# Altium PCB RUMBA_plus.PcbDoc (part 2 of 2)
Units mm, origin at the board's own origin, x right, y up, seen from the top; angles counter-clockwise.
Board outline 140 x 75 mm, 2 copper layers (Top Layer, Bottom Layer); 195 components, 179 nets, 836 pads, 168 vias.
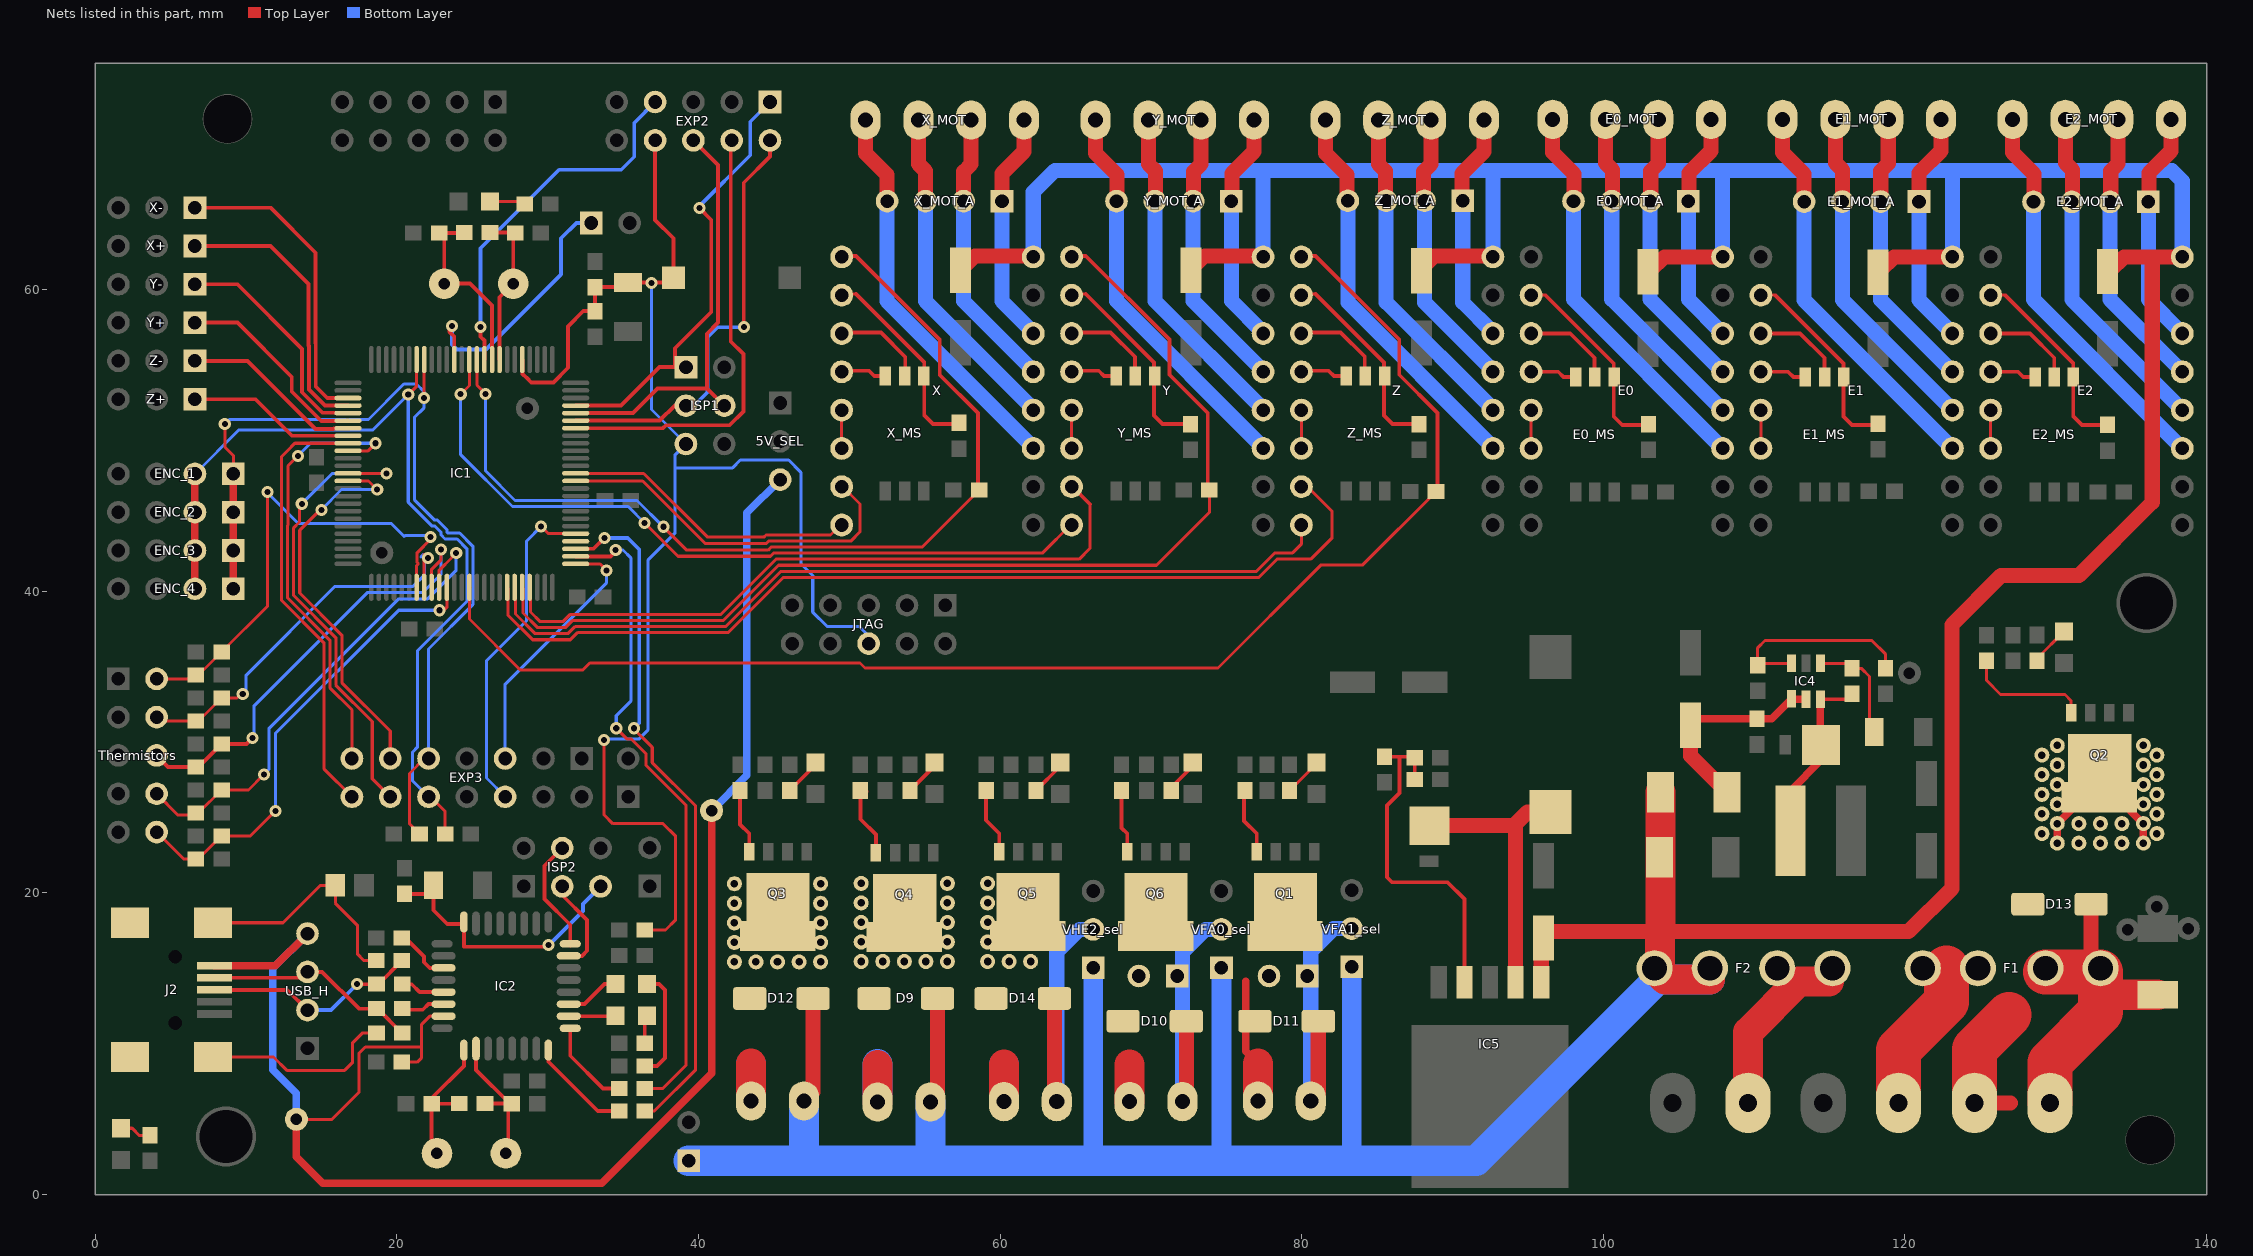
[diagram p2: the nets of this part, all layers, seen from the top]

## Via types
v1: diameter 0.8, hole 0.4, Top Layer to Bottom Layer, tented both sides, 166 vias
v2: diameter 0.6, hole 0.3, Top Layer to Bottom Layer, 2 vias

## Nets (pads, with @x,y where several pads share a name; then routed paths per layer and width w, separated by ;. In a path a pad name is that pad's centre, name@x,y a point inside that pad or via, vN(x,y) a via of type N, cw(c..) or ccw(c..) an arc to the next point about the centre after c; other vN are vias at no path point) (continued)
MOSI2: IC2.16 ISP2.4 | length 7.7
  Top Layer w0.254: ISP2.4@30.966,22.969 29.798,21.801 29.798,19.591 31.498,17.891 IC2.16@31.498,16.497
NetC12_1: C12.1 IC2.27 | length 3.8
  Top Layer w0.2: C12.1@20.338,17.008 C12.1@20.57,17.008
  Top Layer w0.254: C12.1@20.57,17.008 21.797,15.781 21.797,15.4 22.178,15.019 IC2.27@23.094,15.019
NetC14_2: C14.2 IC2.1 R9.1 Y2.1 | length 10.4
  Top Layer w0.254: Y2.1@23.221,3.286 Y2.1@22.661,2.725 22.306,3.08 C14.2@22.306,6.016 ; R9.1@24.147,6.027 24.136,6.016 C14.2@22.306,6.016 ; IC2.1@24.448,9.447 24.448,8.526 22.306,6.384 C14.2@22.306,6.016
NetC15_2: C15.2 IC2.2 R9.2 Y2.2 | length 9.5
  Top Layer w0.254: IC2.2@25.248,9.547 25.248,8.266 27.487,6.027 R9.2@25.847,6.027 ; Y2.2@27.233,2.725 27.385,2.878 C15.2@27.385,6.027
NetC18_1: C18.1 D5.2 IC4.6 L3.1 | length 11.3
  Top Layer w0.254: L3.1@112.424,24.112 L3.1@112.424,26.779 ; IC4.6@114.39,32.844 C18.1@116.138,32.844 ; D5.2@114.431,28.786 D5.2@114.431,29.802
  Top Layer w0.5: L3.1@112.424,26.779 D5.2@114.431,28.786 ; D5.2@114.39,29.842 IC4.6@114.39,32.844
NetC18_2: C18.2 D4.2 IC4.1 | length 7.6
  Top Layer w0.2: IC4.1@114.39,35.219 116.163,35.219 C18.2@116.488,34.894 117.111,34.894 117.657,34.348 117.657,31.123 D4.2@118.165,30.615
NetC19_2: C19.2 IC1.33 R1.2 Y1.2 | length 10.5
  Top Layer w0.254: R1.2@26.178,63.782 C19.2@27.563,63.782 ; IC1.33@26.81,55.367 26.81,59.498 Y1.2@27.716,60.404 27.716,63.629 C19.2@27.563,63.782 ; C19.2@27.819,63.782 C19.2@27.563,63.782
NetC20_2: C20.2 IC1.34 R1.1 Y1.1 | length 12.4
  Top Layer w0.254: C20.2@22.799,63.752 C20.2@23.092,63.752 ; R1.1@24.448,63.752 C20.2@23.092,63.752 ; IC1.34@26.31,55.367 26.31,58.95 24.856,60.404 Y1.1@23.144,60.404 23.144,63.701 C20.2@23.092,63.752
NetC33_2: C33.2 IC5.4 R56.1 R57.1 | length 22.9
  Top Layer w0.254: R56.1@85.5,29.026 R57.1@87.433,29.026 ; 86.491,28.964 86.491,26.627 85.653,25.789 85.653,21.039 85.983,20.709 89.666,20.709 90.786,19.588 IC5.4@90.786,14.074 ; C33.2@87.496,27.516 R57.1@87.496,28.964
NetD8_2: D8.2 IC5.2 L4.1 | length 19.2
  Top Layer w0.254: 94.08,24.463 94.186,24.568
  Top Layer w1: D8.2@88.193,24.463 94.08,24.463 ; IC5.2@94.186,14.074 94.186,24.568 94.974,25.357 L4.1@96.498,25.357
NetD9_A: D9.A HE1.2 pad.2@50.791,15.451 pad.2@50.791,16.746 pad.2@50.791,18.042 pad.2@50.791,19.337 pad.2@50.791,20.632 pad.2@52.22,15.451 pad.2@53.649,15.451 pad.2@55.077,15.451 pad.2@56.506,15.451 pad.2@56.506,16.746 pad.2@56.506,18.042 pad.2@56.506,19.337 pad.2@56.506,20.632 Q4.2 | length 5
  Top Layer w2: HE1.2@51.876,6.129 51.876,8.598
  Bottom Layer w2: HE1.2@51.876,6.129 51.876,8.638
NetD10_A: D10.A FAN0.2 FAN0_1.2 Q6.2 | length 2.5
  Top Layer w2: FAN0.2@68.589,6.154 68.589,8.623
NetD10_K: D10.K FAN0.1 FAN0_1.1 VFA0_sel.2 | length 18.4
  Top Layer w1: FAN0.1@72.089,6.154 72.35,6.415 D10.K@72.35,11.5
  Bottom Layer w1: FAN0.1@72.089,6.154 72.089,16.06 73.613,17.584 VFA0_sel.2@74.502,17.584
NetD11_A: D11.A FAN1.2 FAN1_1.2 Q1.2 | length 8.3
  Top Layer w0.5: 76.28,14.155 76.28,9.492 77.098,8.674
  Top Layer w2: FAN1.2@77.098,6.205 77.098,8.674
NetD11_K: D11.K FAN1.1 FAN1_1.1 VFA1_sel.2 | length 18.5
  Top Layer w1: FAN1.1@80.598,6.205 81.1,6.707 D11.K@81.1,11.5
  Bottom Layer w1: FAN1.1@80.598,6.205 80.598,16.111 82.122,17.635 VFA1_sel.2@83.011,17.635
NetD12_A: D12.A HE0.2 pad.2@42.384,15.425 pad.2@42.384,16.721 pad.2@42.384,18.016 pad.2@42.384,19.312 pad.2@42.384,20.607 pad.2@43.812,15.425 pad.2@45.241,15.425 pad.2@46.67,15.425 pad.2@48.099,15.425 pad.2@48.099,16.721 pad.2@48.099,18.016 pad.2@48.099,19.312 pad.2@48.099,20.607 Q3.2 | length 4.9
  Top Layer w2: HE0.2@43.494,6.205 43.494,8.674
  Bottom Layer w2: HE0.2@43.494,6.205 43.494,8.613
NetD13_A: D13.A HB-OUT.1 pad.2@129.087,23.934 pad.2@129.087,25.236 pad.2@129.087,26.538 pad.2@129.087,27.84 pad.2@129.087,29.141 pad.2@130.103,23.299 pad.2@130.103,24.595 pad.2@130.103,25.89 pad.2@130.103,27.186 pad.2@130.103,28.481 pad.2@130.103,29.776 pad.2@131.531,23.299 pad.2@131.531,24.595 pad.2@132.96,23.299 pad.2@132.96,24.595 pad.2@134.389,23.299 pad.2@134.389,24.595 pad.2@135.818,23.299 pad.2@135.818,24.595 pad.2@135.818,25.89 pad.2@135.818,27.186 pad.2@135.818,28.481 pad.2@135.818,29.776 pad.2@136.707,23.934 pad.2@136.707,25.236 pad.2@136.707,26.538 pad.2@136.707,27.84 pad.2@136.707,29.141 Q2.2 | length 19.1
  Top Layer w0.5: pad.2@130.103,23.299 pad.2@130.103,24.595 131.855,26.347 Q2.2@132.897,26.347 134.065,26.347 pad.2@135.818,24.595 pad.2@135.818,23.299
  Top Layer w1: HB-OUT.1@124.616,6.078 127.004,6.078
  Top Layer w3: HB-OUT.1@124.616,6.078 124.616,9.634 126.902,11.92
  Bottom Layer w0.5: pad.2@135.665,24.595 pad.2@135.818,24.595
NetD14_A: D14.A HE2.2 pad.2@59.173,15.451 pad.2@59.173,16.746 pad.2@59.173,18.042 pad.2@59.173,19.337 pad.2@59.173,20.632 pad.2@60.602,15.451 pad.2@62.031,15.451 Q5.2 | length 4.9
  Top Layer w2: HE2.2@60.258,6.154 60.258,8.623
  Bottom Layer w2: HE2.2@60.258,6.154 60.258,8.573
NetD14_K: D14.K HE2.1 VHE2_sel.2 | length 19.9
  Top Layer w1: D14.K@63.6,13 63.6,6.312 HE2.1@63.758,6.154
  Bottom Layer w1: HE2.1@63.758,6.154 63.758,16.06 65.282,17.584 VHE2_sel.2@66.171,17.584
NetE0_2: E0.2 E0_MS.1 R28.1 | length 13.4
  Top Layer w0.2: E0.2@95.211,59.636 96.153,59.636
  Top Layer w0.254: 96.153,59.636 100.688,55.102 100.688,54.204 100.688,51.596 101.252,51.032 R28.1@102.967,51.032
NetE0_3: E0.3 E0_MS.2 | length 6.2
  Top Layer w0.254: E0.3@95.211,57.096 97.804,57.096 99.418,55.483 E0_MS.2@99.418,54.204
NetE0_4: E0.4 E0_MS.3 | length 3.1
  Top Layer w0.254: E0.4@95.211,54.556 97.017,54.556 97.37,54.204 E0_MS.3@98.148,54.204
NetE0_5: E0.5 E0.6 | length 2.5
  Top Layer w0.2: E0.6@95.211,49.476 E0.5@95.211,52.016
NetE0_11: E0.11 E0_MOT.1 E0_MOT_A.4 | length 26.5
  Top Layer w1: E0_MOT.1@96.643,71.295 96.643,69.098 98.068,67.673 E0_MOT_A.4@98.068,65.921
  Bottom Layer w1: E0_MOT_A.4@98.022,65.87 98.022,59.365 E0.11@107.911,49.476
NetE0_12: E0.12 E0_MOT.2 E0_MOT_A.3 | length 22.5
  Top Layer w1: E0_MOT.2@100.143,71.295 100.143,68.392 100.608,67.927 E0_MOT_A.3@100.608,65.921
  Bottom Layer w1: E0_MOT_A.3@100.562,65.87 100.562,59.365 E0.12@107.911,52.016
NetE0_13: E0.13 E0_MOT.3 E0_MOT_A.2 | length 18.9
  Top Layer w1: E0_MOT_A.2@103.148,65.921 103.148,67.876 103.643,68.372 E0_MOT.3@103.643,71.295
  Bottom Layer w1: E0_MOT_A.2@103.102,65.87 103.102,59.365 E0.13@107.911,54.556
NetE0_14: E0.14 E0_MOT.4 E0_MOT_A.1 | length 15.7
  Top Layer w1: E0_MOT_A.1@105.688,65.921 105.688,67.749 107.143,69.205 E0_MOT.4@107.143,71.295
  Bottom Layer w1: E0_MOT_A.1@105.642,65.87 105.642,59.365 E0.14@107.911,57.096
NetE1_2: E1.2 E1_MS.1 R30.1 | length 13.4
  Top Layer w0.2: E1.2@110.451,59.636 111.393,59.636
  Top Layer w0.254: 111.393,59.636 115.928,55.102 115.928,54.204 115.928,51.596 116.492,51.032 R30.1@118.207,51.032
NetE1_3: E1.3 E1_MS.2 | length 6.2
  Top Layer w0.254: E1.3@110.451,57.096 113.044,57.096 114.658,55.483 E1_MS.2@114.658,54.204
NetE1_4: E1.4 E1_MS.3 | length 3.1
  Top Layer w0.254: E1.4@110.451,54.556 112.257,54.556 112.61,54.204 E1_MS.3@113.388,54.204
NetE1_5: E1.5 E1.6 | length 2.5
  Top Layer w0.2: E1.6@110.451,49.476 E1.5@110.451,52.016
NetE1_11: E1.11 E1_MOT.1 E1_MOT_A.4 | length 26.4
  Top Layer w1: E1_MOT.1@111.893,71.295 111.893,69.098 113.318,67.673 E1_MOT_A.4@113.318,65.921
  Bottom Layer w1: E1_MOT_A.4@113.313,65.844 113.313,59.314 E1.11@123.151,49.476
NetE1_12: E1.12 E1_MOT.2 E1_MOT_A.3 | length 22.4
  Top Layer w1: E1_MOT.2@115.393,71.295 115.393,68.392 115.858,67.927 E1_MOT_A.3@115.858,65.921
  Bottom Layer w1: E1_MOT_A.3@115.853,65.844 115.853,59.314 E1.12@123.151,52.016
NetE1_13: E1.13 E1_MOT.3 E1_MOT_A.2 | length 18.8
  Top Layer w1: E1_MOT_A.2@118.398,65.921 118.398,67.876 118.893,68.372 E1_MOT.3@118.893,71.295
  Bottom Layer w1: E1_MOT_A.2@118.393,65.844 118.393,59.314 E1.13@123.151,54.556
NetE1_14: E1.14 E1_MOT.4 E1_MOT_A.1 | length 15.6
  Top Layer w1: E1_MOT_A.1@120.938,65.921 120.938,67.749 122.393,69.205 E1_MOT.4@122.393,71.295
  Bottom Layer w1: E1_MOT_A.1@120.933,65.844 120.933,59.314 E1.14@123.151,57.096
NetE2_2: E2.2 E2_MS.1 R44.1 | length 13.4
  Top Layer w0.2: E2.2@125.691,59.636 126.633,59.636
  Top Layer w0.254: 126.633,59.636 131.168,55.102 E2_MS.1@131.168,54.204 131.168,51.596 131.732,51.032 R44.1@133.447,51.032
NetE2_3: E2.3 E2_MS.2 | length 6.2
  Top Layer w0.254: E2.3@125.691,57.096 128.284,57.096 129.898,55.483 E2_MS.2@129.898,54.204
NetE2_4: E2.4 E2_MS.3 | length 3.1
  Top Layer w0.254: E2.4@125.691,54.556 127.497,54.556 127.85,54.204 E2_MS.3@128.628,54.204
NetE2_5: E2.5 E2.6 | length 2.5
  Top Layer w0.2: E2.6@125.691,49.476 E2.5@125.691,52.016
NetE2_11: E2.11 E2_MOT.1 E2_MOT_A.4 | length 26.4
  Top Layer w1: E2_MOT.1@127.143,71.295 127.143,69.098 128.568,67.673 E2_MOT_A.4@128.568,65.921
  Bottom Layer w1: E2_MOT_A.4@128.528,65.819 128.528,59.339 E2.11@138.391,49.476
NetE2_12: E2.12 E2_MOT.2 E2_MOT_A.3 | length 22.4
  Top Layer w1: E2_MOT.2@130.643,71.295 130.643,68.392 131.108,67.927 E2_MOT_A.3@131.108,65.921
  Bottom Layer w1: E2_MOT_A.3@131.068,65.819 131.068,59.339 E2.12@138.391,52.016
NetE2_13: E2.13 E2_MOT.3 E2_MOT_A.2 | length 18.8
  Top Layer w1: E2_MOT_A.2@133.648,65.921 133.648,67.876 134.143,68.372 E2_MOT.3@134.143,71.295
  Bottom Layer w1: E2_MOT_A.2@133.608,65.819 133.608,59.339 E2.13@138.391,54.556
NetE2_14: E2.14 E2_MOT.4 E2_MOT_A.1 | length 15.6
  Top Layer w1: E2_MOT_A.1@136.188,65.921 136.188,67.749 137.643,69.205 E2_MOT.4@137.643,71.295
  Bottom Layer w1: E2_MOT_A.1@136.148,65.819 136.148,59.339 E2.14@138.391,57.096
NetF1_0: F1.0 HB-PWR.2 | length 10.3
  Top Layer w3: HB-PWR.2@119.583,6.078 119.583,9.58 122.762,12.758 122.762,15.019
NetF2_0: F2.0 MAIN-PWR.2 | length 11.4
  Top Layer w2: MAIN-PWR.2@109.601,6.078 109.601,10.773 112.958,14.13 F2.0@114.964,14.13
NetIC2_8: IC2.8 R17.1 | length 6.8
  Top Layer w0.254: IC2.8@30.048,9.574 30.048,8.8 33.317,5.531 R17.1@34.734,5.531
NetIC2_9: IC2.9 R18.1 | length 5.8
  Top Layer w0.254: IC2.9@31.498,10.897 31.498,9.204 33.671,7.031 R18.1@34.734,7.031
NetIC2_10: IC2.10 RX.2 | length 3.1
  Top Layer w0.254: IC2.10@31.398,11.824 34.456,11.824 RX.2@34.489,11.857
NetIC2_11: IC2.11 TX.2 | length 3.6
  Top Layer w0.254: IC2.11@31.398,12.624 32.432,12.624 33.774,13.966 TX.2@34.489,13.966
NetIC2_29: IC2.29 R8.1 | length 3
  Top Layer w0.254: R8.1@20.348,13.947 20.99,13.947 21.513,13.424 IC2.29@23.098,13.424
NetIC2_30: IC2.30 R7.1 | length 2.9
  Top Layer w0.254: R7.1@20.348,12.324 20.421,12.25 21.721,12.25 22.094,12.624 IC2.30@23.098,12.624
NetIC4_3: IC4.3 R5.1 R6.2 | length 13.4
  Top Layer w0.2: R6.2@110.24,35.097 110.24,36.253 110.722,36.736 117.809,36.736 118.723,35.822 R5.1@118.723,34.894 ; R6.2@110.362,35.219 IC4.3@112.49,35.219
  Top Layer w0.5: R6.2@110.24,35.097 R6.2@110.362,35.219
NetJ2_0: J2.0 L1.1 Z1.2 Z2.2 | length 28.7
  Top Layer w0.2: J2.0@7.802,9.121 11.82,9.121 12.704,8.237 16.539,8.237 17.073,8.771 17.073,10.066 17.703,10.697 Z1.2@18.648,10.697 ; J2.0@7.802,18.021 12.453,18.021 14.937,20.505 L1.1@15.919,20.505 15.919,19.322 17.377,17.864 17.377,15.959 17.828,15.508 Z2.2@18.638,15.508
NetJ2_2: J2.2 R7.2 USB_H.3 Z1.1 | length 14.3
  Top Layer w0.254: J2.2@7.902,14.371 13.682,14.371 USB_H.3@14.075,14.765 15.041,14.765 17.482,12.324 R7.2@18.648,12.324 18.721,12.324 Z1.1@20.348,10.697
NetJ2_3: J2.3 R8.2 USB_H.2 Z2.1 | length 14.4
  Top Layer w0.254: J2.3@7.902,13.571 12.729,13.571 USB_H.2@14.075,12.225 ; v1(17.346,13.947) R8.2@18.648,13.947 18.776,13.947 Z2.1@20.338,15.508
  Bottom Layer w0.254: USB_H.2@14.075,12.225 15.625,12.225 v1(17.346,13.947)
NetLD2_1: LD2.1 R33.1 | length 2.7
  Top Layer w0.2: R33.1@128.756,35.403 128.756,35.542 LD2.1@130.56,37.346
NetLD3_1: LD3.1 R36.1 | length 2.6
  Top Layer w0.254: R36.1@46.053,26.793 47.756,28.496 LD3.1@47.756,28.659
NetLD4_1: LD4.1 R39.1 | length 2.5
  Top Layer w0.254: R39.1@54.029,26.793 55.658,28.422 LD4.1@55.658,28.659
NetLD5_1: LD5.1 R50.1 | length 2.5
  Top Layer w0.254: R50.1@62.386,26.793 63.99,28.397 LD5.1@63.99,28.659
NetLD6_1: LD6.1 R53.1 | length 2.5
  Top Layer w0.254: R53.1@71.352,26.793 71.352,26.98 72.778,28.406 LD6.1@72.778,28.659
NetLD7_1: LD7.1 R55.1 | length 2.6
  Top Layer w0.2: R55.1@79.201,26.793 LD7.1@80.979,28.571
  Top Layer w0.5: LD7.1@80.979,28.571 LD7.1@80.979,28.659
NetLED1_1: LED1.1 R13.1 | length 2.1
  Top Layer w0.2: LED1.1@26.183,65.844 R13.1@28.33,65.844
NetPower_1: Power.1 R4.1 | length 2.2
  Top Layer w0.2: Power.1@1.833,4.394 2.45,4.394 2.938,3.906 R4.1@3.814,3.906
NetQ1_1: Q1.1 R46.2 | length 4.5
  Top Layer w0.254: R46.2@76.404,26.793 76.178,26.568 76.178,24.77 77.017,23.932 Q1.1@77.017,22.727
NetQ2_1: Q2.1 R31.2 | length 8.3
  Top Layer w0.2: R31.2@125.404,35.392 125.404,34.094 126.343,33.155 130.611,33.155 131.017,32.748 Q2.1@131.017,31.935
NetQ3_1: Q3.1 R34.2 | length 4.3
  Top Layer w0.254: R34.2@42.751,26.793 42.751,24.545 43.364,23.932 Q3.1@43.364,22.727
NetQ4_1: Q4.1 R37.2 | length 4.7
  Top Layer w0.254: R37.2@51.156,26.73 50.753,26.327 50.753,24.885 51.769,23.869 Q4.1@51.769,22.664
NetQ5_1: Q5.1 R48.2 | length 4.5
  Top Layer w0.254: R48.2@59.336,26.793 59.059,26.516 59.059,24.822 59.949,23.932 Q5.1@59.949,22.727
NetQ6_1: Q6.1 R51.2 | length 4.3
  Top Layer w0.254: R51.2@67.819,26.793 68.05,26.561 68.05,24.313 68.432,23.932 Q6.1@68.432,22.727
NetR15_2: R15.2 TX.1 | length 7.4
  Top Layer w0.254: R15.2@36.434,8.531 37.254,8.531 37.774,9.05 37.774,13.571 37.379,13.966 TX.1@36.589,13.966
NetR16_2: R16.2 RX.1 | length 1.7
  Top Layer w0.254: R16.2@36.434,10.031 RX.1@36.434,11.702
NetR22_1: R22.1 X.2 X_MS.1 | length 13.4
  Top Layer w0.2: X.2@49.499,59.705 50.442,59.705
  Top Layer w0.254: 50.442,59.705 54.976,55.17 54.976,54.272 54.976,51.665 55.541,51.101 R22.1@57.255,51.101
NetR24_1: R24.1 Y.2 Y_MS.1 | length 13.4
  Top Layer w0.2: Y.2@64.739,59.705 65.682,59.705
  Top Layer w0.254: 65.682,59.705 70.216,55.17 70.216,54.272 70.216,51.665 70.781,51.101 R24.1@72.495,51.101
NetR26_1: R26.1 Z.2 Z_MS.1 | length 13.4
  Top Layer w0.2: Z.2@79.979,59.705 80.922,59.705
  Top Layer w0.254: 80.922,59.705 85.456,55.17 85.456,54.272 85.456,51.665 86.021,51.101 R26.1@87.735,51.101
NetX_3: X.3 X_MS.2 | length 6.2
  Top Layer w0.254: X.3@49.499,57.165 52.093,57.165 53.706,55.551 X_MS.2@53.706,54.272
NetX_4: X.4 X_MS.3 | length 3.1
  Top Layer w0.254: X.4@49.499,54.625 51.305,54.625 51.658,54.272 X_MS.3@52.436,54.272
NetX_5: X.5 X.6 | length 2.5
  Top Layer w0.2: X.6@49.499,49.545 X.5@49.499,52.085
NetX_11: X.11 X_MOT.1 X_MOT_A.4 | length 26.3
  Top Layer w1: X_MOT.1@51.081,71.244 51.081,69.047 52.506,67.622 X_MOT_A.4@52.506,65.87
  Bottom Layer w1: X_MOT_A.4@52.506,65.87 52.506,59.238 X.11@62.199,49.545
NetX_12: X.12 X_MOT.2 X_MOT_A.3 | length 22.3
  Top Layer w1: X_MOT.2@54.581,71.244 54.581,68.341 55.046,67.876 X_MOT_A.3@55.046,65.87
  Bottom Layer w1: X_MOT_A.3@55.046,65.87 55.046,59.238 X.12@62.199,52.085
NetX_13: X.13 X_MOT.3 X_MOT_A.2 | length 18.7
  Top Layer w1: X_MOT_A.2@57.586,65.87 57.586,67.826 58.081,68.321 X_MOT.3@58.081,71.244
  Bottom Layer w1: X_MOT_A.2@57.586,65.87 57.586,59.238 X.13@62.199,54.625
NetX_14: X.14 X_MOT.4 X_MOT_A.1 | length 15.5
  Top Layer w1: X_MOT_A.1@60.126,65.87 60.126,67.699 61.581,69.154 X_MOT.4@61.581,71.244
  Bottom Layer w1: X_MOT_A.1@60.126,65.87 60.126,59.238 X.14@62.199,57.165
NetY_3: Y.3 Y_MS.2 | length 6.2
  Top Layer w0.254: Y.3@64.739,57.165 67.333,57.165 68.946,55.551 Y_MS.2@68.946,54.272
NetY_4: Y.4 Y_MS.3 | length 3.1
  Top Layer w0.254: Y.4@64.739,54.625 66.545,54.625 66.898,54.272 Y_MS.3@67.676,54.272
NetY_5: Y.5 Y.6 | length 2.5
  Top Layer w0.2: Y.6@64.739,49.545 Y.5@64.739,52.085
NetY_11: Y.11 Y_MOT.1 Y_MOT_A.4 | length 28.1
  Top Layer w1: Y_MOT.1@66.331,71.244 66.331,69.047 67.756,67.622 ; 67.756,67.622 67.756,65.87 67.756,67.622
  Bottom Layer w1: Y_MOT_A.4@67.72,65.87 67.72,59.264 Y.11@77.439,49.545
NetY_12: Y.12 Y_MOT.2 Y_MOT_A.3 | length 24.3
  Top Layer w1: Y_MOT.2@69.831,71.244 69.831,68.341 70.296,67.876 ; 70.296,67.876 70.296,65.87 70.296,67.876
  Bottom Layer w1: Y_MOT_A.3@70.26,65.87 70.26,59.264 Y.12@77.439,52.085
NetY_13: Y.13 Y_MOT.3 Y_MOT_A.2 | length 20.7
  Top Layer w1: Y_MOT.3@73.331,71.244 73.331,68.321 72.836,67.826 ; 72.836,67.826 72.836,65.87 72.836,67.826
  Bottom Layer w1: Y_MOT_A.2@72.8,65.87 72.8,59.264 Y.13@77.439,54.625
NetY_14: Y.14 Y_MOT.4 Y_MOT_A.1 | length 17.4
  Top Layer w1: Y_MOT.4@76.831,71.244 76.831,69.154 75.376,67.699 ; 75.376,67.699 75.376,65.87 75.376,67.699
  Bottom Layer w1: Y_MOT_A.1@75.34,65.87 75.34,59.264 Y.14@77.439,57.165
NetZ_3: Z.3 Z_MS.2 | length 6.2
  Top Layer w0.254: Z.3@79.979,57.165 82.573,57.165 84.186,55.551 Z_MS.2@84.186,54.272
NetZ_4: Z.4 Z_MS.3 | length 3.1
  Top Layer w0.254: Z.4@79.979,54.625 81.785,54.625 82.138,54.272 Z_MS.3@82.916,54.272
NetZ_5: Z.5 Z.6 | length 2.5
  Top Layer w0.2: Z.6@79.979,49.545 Z.5@79.979,52.085
NetZ_11: Z.11 Z_MOT.1 Z_MOT_A.4 | length 28.1
  Top Layer w1: Z_MOT.1@81.581,71.244 81.581,69.047 83.006,67.622 ; 83.006,67.622 83.006,65.87 83.006,65.895 83.006,67.622
  Bottom Layer w1: Z_MOT_A.4@83.062,65.895 83.062,59.162 Z.11@92.679,49.545
NetZ_12: Z.12 Z_MOT.2 Z_MOT_A.3 | length 24.3
  Top Layer w1: Z_MOT.2@85.081,71.244 85.081,68.341 85.546,67.876 ; 85.546,67.876 85.546,65.87 85.546,65.895 85.546,67.876
  Bottom Layer w1: Z_MOT_A.3@85.602,65.895 85.602,59.162 Z.12@92.679,52.085
NetZ_13: Z.13 Z_MOT.3 Z_MOT_A.2 | length 20.7
  Top Layer w1: Z_MOT.3@88.581,71.244 88.581,68.321 88.086,67.826 ; 88.086,67.826 88.086,65.87 88.086,65.895 88.086,67.826
  Bottom Layer w1: Z_MOT_A.2@88.142,65.895 88.142,59.162 Z.13@92.679,54.625
NetZ_14: Z.14 Z_MOT.4 Z_MOT_A.1 | length 17.4
  Top Layer w1: Z_MOT.4@92.081,71.244 92.081,69.154 90.626,67.699 ; 90.626,67.699 90.626,65.87 90.626,65.895 90.626,67.699
  Bottom Layer w1: Z_MOT_A.1@90.682,65.895 90.682,59.162 Z.14@92.679,57.165
PB1_(SCK): EXP2.2 IC1.20 ISP1.3 | length 28.2
  Top Layer w0.254: IC1.20@31.86,51.317 37.419,51.317 ISP1.3@38.434,52.332 ; v1(43.006,57.513) 43.006,67.089 44.743,68.826 EXP2.2@44.743,69.904
  Bottom Layer w0.254: ISP1.3@39.171,52.306 39.704,52.306 40.593,53.195 40.593,56.853 41.253,57.513 v1(43.006,57.513)
PB2_(MOSI): EXP2.6 IC1.21 ISP1.4 | length 28.4
  Top Layer w0.254: IC1.21@31.86,51.817 35.659,51.817 37.291,53.449 40.568,53.449 ; EXP2.6@39.663,69.904 41.304,68.262 41.304,57.818 40.568,57.081 40.568,53.449 ; ISP1.4@41.711,52.306 40.568,53.449
PB3_(MISO): EXP2.1 IC1.22 ISP1.1 | length 28.5
  Top Layer w0.254: IC1.22@31.86,52.317 34.863,52.317 37.418,54.872 38.434,54.872 38.434,56.116 40.847,58.529 40.847,64.625 v1(40.06,65.413)
  Bottom Layer w0.254: v1(40.06,65.413) 40.06,65.54 43.438,68.918 43.438,71.139 EXP2.1@44.743,72.444
PC6: EXP3.14 IC1.59 | length 29.6
  Top Layer w0.2: 12.983,49.563 12.729,49.309 ; IC1.59@16.76,49.817 13.237,49.817 12.729,49.309 ; EXP3.14@17.022,26.373 15.154,28.241 15.154,36.59 12.36,39.384 12.36,48.94 12.729,49.309
PC7: EXP3.13 IC1.60 | length 29.7
  Top Layer w0.2: v1(13.44,48.979) 12.78,48.318 12.78,44.395 12.76,44.375 12.76,39.55 15.554,36.756 15.554,33.608 17.022,32.14 EXP3.13@17.022,28.913 ; IC1.60@16.76,49.317 18.097,49.317 v1(18.597,49.817)
  Bottom Layer w0.2: v1(13.44,48.979) 14.279,49.817 v1(18.597,49.817)
PJ0: EXP3.12 IC1.63 | length 31.3
  Top Layer w0.2: v1(13.694,45.804) 13.542,45.651 13.542,44.592 13.16,44.21 13.16,39.716 15.954,36.922 15.954,33.773 18.368,31.359 18.368,27.567 EXP3.12@19.562,26.373 ; IC1.63@16.76,47.817 v1(19.327,47.817)
  Bottom Layer w0.2: v1(13.694,45.804) 15.708,47.817 v1(19.327,47.817)
PJ1: EXP3.11 IC1.64 | length 26.2
  Top Layer w0.2: v1(14.99,45.397) 14.99,45.169 14.685,45.169 13.56,44.044 13.56,39.881 16.354,37.087 16.354,33.939 19.562,30.731 EXP3.11@19.562,28.913 ; IC1.64@16.76,47.317 18.125,47.317 v1(18.698,46.744)
  Bottom Layer w0.2: v1(14.99,45.397) 16.336,46.744 v1(18.698,46.744)
PS_ON: IC1.39 PS_ON.1 | length 17.9
  Top Layer w0.254: v1(23.651,57.586) 23.489,57.424 23.489,57.206 23.81,56.885 IC1.39@23.81,55.367
  Bottom Layer w0.254: v1(23.651,57.586) 23.651,56.37 23.981,56.04 25.912,56.04 30.89,61.018 30.89,63.406 31.906,64.422 PS_ON.1@32.897,64.422
PWM_1: EXP3.5 IC1.1 | length 17.5
  Top Layer w0.2: IC1.1@31.86,41.817 33.48,41.817 v1(33.913,41.384)
  Bottom Layer w0.2: EXP3.5@27.182,28.913 27.182,33.84 33.913,40.571 v1(33.913,41.384)
PWM_2: EXP3.6 IC1.5 | length 22.4
  Top Layer w0.2: v1(29.569,44.305) 30.058,43.817 IC1.5@31.86,43.817
  Bottom Layer w0.2: EXP3.6@27.182,26.373 25.937,27.617 25.937,35.394 28.604,38.061 28.604,43.34 v1(29.569,44.305)
RESET: C8.2 C16.1 D2.1 EXP2.8 IC1.30 ISP1.5 JTAG.6 R11.1 Reset.2 | length 103.1
  Top Layer w0.2: v1(33.735,30.132) 33.735,25.179 34.319,24.595 37.647,24.595 38.485,23.757 38.485,18.219 37.811,17.546 C16.1@36.45,17.546
  Top Layer w0.254: IC1.30@28.31,55.367 28.333,55.344 28.333,54.419 28.612,54.14 28.625,54.14 28.909,53.856 30.382,53.856 31.347,54.821 31.347,57.564 32.362,58.579 R11.1@33.132,58.579 C8.2@33.132,60.162 ; C8.2@33.125,60.168 35.026,60.168 D2.1@35.324,60.467 Reset.2@38.307,60.467 ; EXP2.8@37.123,69.904 37.123,64.627 38.343,63.406 Reset.2@38.343,60.79
  Bottom Layer w0.2: v1(33.735,30.132) 33.797,30.194 36.043,30.194 36.64,30.791 36.64,32.164 ; 36.64,31.648 36.64,32.164 ; v1(36.885,60.434) 36.885,52.052 ISP1.5@39.171,49.766 38.434,49.03 38.434,48.191 ; JTAG.6@51.794,36.533 50.651,37.676 48.518,37.676 47.578,38.616 47.578,41.054 46.791,41.841 46.791,47.887 45.978,48.699 42.777,48.699 42.269,48.191 38.434,48.191 ; 36.64,32.164 36.64,42.054 38.434,43.848 38.434,48.191
RESET2: D3.1 IC2.24 ISP2.5 R12.1 | length 17.9
  Top Layer w0.254: R12.1@20.502,19.935 D3.1@21.862,19.935 ; D3.1@22.433,20.505 22.433,18.854 23.34,17.947 24.448,17.947 24.448,16.432 29.941,16.432 v1(30.052,16.543)
  Bottom Layer w0.254: v1(30.052,16.543) 30.077,16.543 32.338,18.804 32.338,19.261 ISP2.5@33.506,20.429
SCK2: IC2.15 ISP2.3 | length 6.3
  Top Layer w0.254: ISP2.3@30.966,20.429 30.966,19.845 32.617,18.194 32.617,16.162 32.279,15.824 IC2.15@31.398,15.824
SCL: ENC_1.1 ENC_2.1 ENC_3.1 ENC_4.1 EXP3.9 IC1.43 R3.1 | length 62.3
  Top Layer w0.2: v1(8.589,51.087) 8.589,49.563 9.152,49 ENC_1.1@9.152,47.785 ; R3.1@21.504,23.909 20.832,24.581 20.832,27.922 21.822,28.913 EXP3.9@22.102,28.913 ; v1@21.797,52.814 v1(21.81,52.827) IC1.43@21.81,55.367
  Top Layer w0.5: ENC_4.1@9.152,40.165 ENC_3.1@9.152,42.705 ENC_2.1@9.152,45.245 ENC_1.1@9.152,47.785
  Bottom Layer w0.2: v1(8.589,51.087) 8.893,51.391 18.114,51.391 20.466,53.743 21.3,53.743 21.81,53.233 v1(21.81,52.827) 21.81,52.173 21.156,51.519 21.156,46.071 22.513,44.714 22.691,44.714 23.335,44.07 23.335,43.892 23.363,43.864 24.162,43.864 25.037,42.988 25.037,39.112 22.102,36.177 EXP3.9@22.102,28.862
SD_CSEL: EXP2.4 IC1.19 | length 29.9
  Top Layer w0.254: IC1.19@31.86,50.817 37.656,50.817 37.85,51.011 41.66,51.011 42.066,51.011 42.981,51.925 42.981,55.735 42.142,56.573 42.142,69.844 EXP2.4@42.203,69.904
SD_DET: EXP2.7 IC1.35 | length 24.4
  Top Layer w0.254: v1(25.556,57.539) 25.556,56.878 25.81,56.624 IC1.35@25.81,55.367
  Bottom Layer w0.254: v1(25.556,57.539) 25.556,62.746 30.763,67.953 34.878,67.953 35.742,68.816 35.742,71.063 EXP2.7@37.123,72.444
SDA: ENC_1.2 ENC_2.2 ENC_3.2 ENC_4.2 EXP3.10 IC1.44 R2.1 | length 61.2
  Top Layer w0.2: v1(20.756,53.043) 21.31,53.597 IC1.44@21.31,55.367 ; EXP3.10@22.102,26.373 22.229,26.373 23.208,25.394 R2.1@23.208,23.909
  Top Layer w0.5: ENC_4.2@6.612,40.165 ENC_3.2@6.612,42.705 ENC_2.2@6.612,45.245 ENC_1.2@6.612,47.785
  Bottom Layer w0.2: ENC_1.2@6.612,47.785 9.533,50.706 18.419,50.706 v1(20.756,53.043) 20.756,45.905 22.347,44.314 22.525,44.314 22.935,43.904 22.935,43.726 23.197,43.464 23.996,43.464 24.637,42.823 24.637,39.322 23.608,38.293 ; 21.899,36.584 22.165,36.85 ; EXP3.10@22.102,26.373 21.052,27.423 21.052,29.348 21.354,29.65 21.354,36.039 22.165,36.85 ; 23.219,37.904 23.608,38.293 ; 22.165,36.85 23.608,38.293
THERM0: C29.1 IC1.82 R43.2 Thermistors.2 | length 32.5
  Top Layer w0.2: Thermistors.2@4.072,34.196 6.168,34.196 C29.1@6.422,34.45 ; C29.1@6.676,34.45 6.852,34.45 R43.2@8.376,35.974 11.434,39.031 v1(11.434,46.589) ; IC1.82@21.31,40.267 21.31,41.71 21.41,41.81 21.41,41.848 21.351,41.907 21.351,42.558 22.235,43.442 v1(22.235,43.614)
  Bottom Layer w0.2: v1@11.434,46.515 13.44,44.508 19.613,44.508 20.484,43.637 20.532,43.686 22.163,43.686 v1(22.235,43.614)
THERM1: C28.1 IC1.83 R42.2 Thermistors.4 | length 26.2
  Top Layer w0.2: Thermistors.4@4.072,31.656 4.326,31.402 C28.1@6.676,31.402 6.852,31.402 R42.2@8.376,32.926 9.399,32.926 9.653,33.18 v1(9.78,33.18) ; IC1.83@21.81,40.267 v1@21.81,42.451
  Bottom Layer w0.2: v1(9.78,33.18) 10.004,33.404 10.004,34.439 15.876,40.311 21.06,40.311 21.848,41.098 21.848,42.212 22.036,42.212 v1(22.051,42.197) ; 21.608,42.287 v1@21.772,42.451
THERM2: C27.1 IC1.84 R41.2 Thermistors.6 | length 29.8
  Top Layer w0.2: IC1.84@22.31,40.267 22.31,41.466 22.937,42.093 v1(22.937,42.764)
  Top Layer w0.254: Thermistors.6@4.072,29.116 4.834,28.354 C27.1@6.422,28.354 ; C27.1@6.676,28.354 6.852,28.354 R41.2@8.376,29.878 10.034,29.878 v1(10.415,30.259)
  Bottom Layer w0.2: v1@10.542,30.386 10.542,32.418 18.035,39.911 21.695,39.911 22.937,41.153 v1(22.937,42.764)
  Bottom Layer w0.254: v1(10.415,30.259) v1@10.542,30.386
THERM3: C26.1 IC1.85 R40.2 Thermistors.8 | length 32.1
  Top Layer w0.2: Thermistors.8@4.072,26.576 5.494,25.154 6.27,25.154 C26.1@6.422,25.306 ; C26.1@6.676,25.306 6.852,25.306 R40.2@8.376,26.83 10.161,26.83 v1(11.177,27.846) ; IC1.85@22.81,40.267 22.81,41.4 23.657,42.247 v1@23.657,42.38
  Bottom Layer w0.2: v1(11.177,27.846) 11.51,28.179 11.51,30.894 20.117,39.501 22.048,39.501 23.937,41.391 v1(23.937,42.533)
THERM4: C9.1 IC1.86 R54.2 Thermistors.10 | length 31.3
  Top Layer w0.2: Thermistors.10@4.072,24.036 5.85,22.258 C9.1@6.422,22.258 ; C9.1@6.676,22.258 6.852,22.258 R54.2@8.376,23.782 10.288,23.782 v1(11.939,25.433) ; v1(22.838,38.743) 22.838,38.463 23.31,38.935 ; 23.31,38.986 IC1.86@23.31,40.267
  Bottom Layer w0.2: v1(11.939,25.433) 11.939,30.564 20.118,38.743 v1(22.838,38.743)
"USB RXD": IC1.2 R18.2 | length 43.4
  Top Layer w0.2: v1@34.548,30.792 v1(34.548,30.919) 35.248,30.219 35.527,30.219 36.535,29.211 36.535,28.449 39.171,25.814 39.171,8.567 37.634,7.031 R18.2@36.434,7.031
  Top Layer w0.254: IC1.2@31.86,42.317 34.16,42.317 v1@34.37,42.527
  Bottom Layer w0.2: v1(34.513,42.74) 34.996,42.74 35.513,42.222 35.513,32.715 34.548,31.75 v1(34.548,30.919)
USB_TXD: IC1.3 R17.2 | length 45.7
  Top Layer w0.2: v1@35.716,30.894 v1@35.691,30.894 ; v1(35.716,30.919) v1@35.691,30.894 ; R17.2@36.434,5.531 37.074,5.531 39.81,8.267 39.81,25.758 36.935,28.633 36.935,29.649 v1@35.691,30.894
  Top Layer w0.254: IC1.3@31.86,42.817 33.034,42.817 v1(33.76,43.543)
  Bottom Layer w0.254: v1(33.76,43.543) 35.31,43.543 36.072,42.781 36.072,31.275 v1(35.716,30.919)
USB_XCK: IC1.4
USBVCC: 5V_SEL.3 C11.2 IC2.31 J2.1 pad.0 pad.1 USB_H.4 | length 113.1
  Top Layer w0.2: pad.0@13.339,4.986 15.701,4.986 17.479,6.764 17.479,9.355 17.911,9.787 21.645,9.787 ; C11.2@20.325,8.778 21.348,8.778 21.645,9.075 21.645,9.787 ; IC2.31@23.098,11.824 22.183,11.824 21.645,11.285 21.645,9.787
  Top Layer w0.5: J2.1@7.902,15.171 11.942,15.171 USB_H.4@14.075,17.305 ; pad.0@13.339,4.986 13.339,2.497 15.091,0.744 33.583,0.744 40.872,8.034 pad.1@40.872,25.458
  Bottom Layer w0.5: pad.0@13.339,4.986 13.339,6.713 11.764,8.288 11.764,14.994 USB_H.4@14.075,17.305 ; pad.1@40.872,25.458 43.209,27.795 43.209,45.194 5V_SEL.3@45.419,47.404
VIN: C1.1 C3.2 D1.2 IC4.4 IC4.5 | length 13.2
  Top Layer w0.5: C1.1@106.212,31.541 C3.2@110.189,31.541 111.166,31.541 112.469,32.844 IC4.5@113.44,32.844
  Top Layer w1: C1.1@105.795,31.123 105.795,29.081 D1.2@108.198,26.678
VIN1: C21.1 C22.1 C23.1 C24.1 C25.1 C30.1 C31.1 D1.1 D6.2 D9.K D12.K E0.16 E1.16 E2.16 F2.1 HE0.1 HE1.1 IC5.1 PWR.1 VFA0_sel.1 VFA1_sel.1 VHE2_sel.1 X.16 Y.16 Z.16 | length 369.9
  Top Layer w1: HE0.1@46.994,6.205 47.6,6.811 D12.K@47.6,13 ; HE1.1@55.376,6.129 55.85,6.603 D9.K@55.85,13 ; C21.1@57.374,61.285 58.334,62.245 X.16@62.199,62.245 ; C22.1@72.614,61.285 73.574,62.245 Y.16@77.439,62.245 ; C23.1@87.854,61.285 88.814,62.245 Z.16@92.679,62.245 ; IC5.1@95.886,14.074 95.886,16.846 C31.1@96.041,17.001 96.472,17.432 120.247,17.432 123.118,20.302 123.118,37.777 126.381,41.041 131.538,41.041 136.402,45.905 136.402,62.176 ; C24.1@103.085,61.216 104.045,62.176 E0.16@107.911,62.176 ; C25.1@118.325,61.216 119.285,62.176 E1.16@123.151,62.176 ; C30.1@133.565,61.216 134.525,62.176 136.402,62.176 ; E2.16@138.391,62.176 136.402,62.176
  Top Layer w2: 103.758,17.576 103.758,14.603 104.111,14.25 F2.1@107.065,14.25 ; 103.798,17.576 D1.1@103.798,26.678
  Bottom Layer w1: X.16@62.199,62.176 62.199,66.47 63.631,67.902 92.815,67.902 ; Y.16@77.439,62.176 77.439,67.791 ; Z.16@92.679,62.176 92.679,67.766 92.815,67.902 ; E0.16@107.911,62.176 107.911,67.783 108.03,67.902 ; E1.16@123.151,62.176 123.151,67.783 ; E2.16@138.391,62.176 138.391,67.208 137.697,67.902 108.03,67.902 ; 92.815,67.902 108.03,67.902
  Bottom Layer w1.3: 66.171,2.344 VHE2_sel.1@66.171,15.044 ; 74.68,2.497 VFA0_sel.1@74.68,15.044 ; 83.316,2.294 VFA1_sel.1@83.316,15.095
  Bottom Layer w2: PWR.1@39.348,2.243 74.426,2.243 ; 46.994,2.878 HE0.1@46.994,6.205 ; 55.376,2.929 HE1.1@55.376,6.129 ; 74.68,2.497 74.426,2.243 ; 83.316,2.294 83.367,2.243 ; F2.1@103.405,14.25 F2.1@103.578,14.25 ; F2.1@107.065,14.25 F2.1@103.578,14.25 ; 74.426,2.243 83.367,2.243 ; 83.367,2.243 91.571,2.243 F2.1@103.578,14.25
VIN2: D7.2 D13.K F1.1 HB-OUT.2 | length 20.9
  Top Layer w1: D13.K@132.35,19 132.35,15.375 F1.1@132.975,14.75
  Top Layer w2: 134.11,13.251 D7.2@136.757,13.251
  Top Layer w3: F1.1@129.315,14.75 132.975,14.75 132.975,12.116 129.616,8.757 HB-OUT.2@129.616,6.078
X-DIR: IC1.13 X.8 | length 19.7
  Top Layer w0.2: IC1.13@31.86,47.817 36.368,47.817 40.573,43.611 44.367,43.611 44.483,43.727 48.762,43.727 X.8@49.499,44.465
X-EN: IC1.36 R21.2 X.1 | length 64.2
  Top Layer w0.2: IC1.36@25.31,55.367 25.31,53.67 v1(25.886,53.094) ; v1(37.672,44.28) 39.221,42.73 44.618,42.73 44.814,42.927 54.825,42.927 R21.2@58.606,46.708
  Top Layer w0.254: X.1@49.499,62.245 50.442,62.245 55.994,56.693 55.994,54.356 58.534,51.816 58.534,46.877 R21.2@58.31,46.653
  Bottom Layer w0.2: v1(25.886,53.094) 25.886,47.97 27.83,46.026 35.925,46.026 v1(37.672,44.28)
  Bottom Layer w0.254: v1(37.672,44.28) v1@37.672,44.318
X-MAX: IC1.54 X+.1 | length 18.6
  Top Layer w0.254: X+.1@6.612,62.898 11.612,62.898 14.142,60.368 14.142,56.282 14.164,56.26 14.164,53.391 15.243,52.312 16.755,52.312 IC1.54@16.76,52.317 IC1.54@16.737,52.34
X-MIN: IC1.53 X-.1 | length 20.6
  Top Layer w0.254: X-.1@6.612,65.438 11.612,65.438 14.596,62.454 14.596,56.471 14.618,56.448 14.618,53.579 15.381,52.817 IC1.53@16.76,52.817
X-STEP: IC1.12 X.7 | length 24.5
  Top Layer w0.2: IC1.12@31.86,47.317 36.302,47.317 40.462,43.157 44.479,43.157 44.649,43.327 50.105,43.327 50.717,43.939 50.717,45.786 X.7@49.499,47.005
Y-DIR: IC1.37 Y.8 | length 51
  Top Layer w0.2: v1(24.235,53.068) 24.81,53.643 IC1.37@24.81,55.367 ; v1(36.428,44.534) v1@36.58,44.382 ; v1@36.478,44.585 36.58,44.483 v1@36.58,44.382 ; Y.8@64.739,44.465 62.802,42.527 44.98,42.527 44.777,42.324 38.638,42.324 v1@36.58,44.382
  Bottom Layer w0.2: v1(24.235,53.068) 24.235,49.055 27.664,45.626 35.336,45.626 v1(36.428,44.534)
Y-EN: IC1.96 R23.2 Y.1 | length 72.3
  Top Layer w0.2: IC1.96@28.31,40.267 28.36,40.217 28.36,38.567 29.34,37.587 31.175,37.587 31.636,38.048 31.657,38.048 31.672,38.063 41.648,38.063 45.311,41.727 70.374,41.727 73.871,45.224 R23.2@73.871,46.708
  Top Layer w0.254: Y.1@64.739,62.245 65.682,62.245 71.234,56.693 71.234,54.356 73.774,51.816 73.774,46.877 R23.2@73.55,46.653
Y-MAX: IC1.56 Y+.1 | length 13.5
  Top Layer w0.254: Y+.1@6.612,57.818 9.424,57.818 13.034,54.208 13.034,53.237 14.982,51.289 15.808,51.289 15.812,51.294 16.737,51.294 IC1.56@16.76,51.317 IC1.56@16.737,51.34
Y-MIN: IC1.55 Y-.1 | length 15.4
  Top Layer w0.254: Y-.1@6.612,60.358 9.424,60.358 13.71,56.072 13.71,53.203 15.073,51.84 16.737,51.84 IC1.55@16.76,51.817
Y-STEP: IC1.97 Y.7 | length 45.7
  Top Layer w0.2: IC1.97@28.81,40.267 28.86,40.217 28.86,38.632 29.505,37.987 31.009,37.987 31.47,38.448 31.491,38.448 31.507,38.463 41.482,38.463 45.146,42.127 65.243,42.127 65.968,42.852 65.968,45.776
  Top Layer w0.254: Y.7@64.739,47.005 65.968,45.776
Z-DIR: IC1.95 Z.8 | length 58.2
  Top Layer w0.2: IC1.95@27.81,40.267 27.86,40.217 27.86,38.501 29.174,37.187 31.34,37.187 31.801,37.648 31.823,37.648 31.838,37.663 41.813,37.663 45.477,41.327 77.004,41.327 78.229,42.552 79.404,42.552 79.979,43.128 Z.8@79.979,44.465
Z-EN: IC1.89 R25.2 Z.1 | length 92.7
  Top Layer w0.2: IC1.89@24.81,40.216 24.81,38.157 28.18,34.787 32.334,34.787 32.795,35.248 50.71,35.248 51.045,34.913 74.457,34.913 81.296,41.752 84.054,41.752 R25.2@88.908,46.606 ; IC1.89@24.81,40.267 IC1.89@24.833,40.244
  Top Layer w0.254: Z.1@79.979,62.245 80.922,62.245 86.474,56.693 86.474,54.356 89.014,51.816 89.014,46.877 R25.2@88.79,46.653
Z-MAX: IC1.58 Z+.1 | length 11.2
  Top Layer w0.254: Z+.1@6.612,52.738 10.621,52.738 13.047,50.312 16.755,50.312 IC1.58@16.76,50.317
Z-MIN: IC1.57 Z-.1 | length 12.1
  Top Layer w0.254: Z-.1@6.612,55.278 10.088,55.278 14.599,50.766 15.785,50.766 15.812,50.794 16.783,50.794 IC1.57@16.76,50.817
Z-STEP: IC1.94 Z.7 | length 64.5
  Top Layer w0.2: IC1.94@27.31,40.267 27.36,40.217 27.36,38.435 29.008,36.787 31.506,36.787 31.967,37.248 31.989,37.248 32.004,37.263 41.979,37.263 45.643,40.927 77.169,40.927 78.394,42.152 80.629,42.152 82.02,43.543 82.02,45.296 Z.7@80.312,47.005
  Top Layer w0.254: Z.7@79.979,47.005 Z.7@80.312,47.005
pads on no net: D9.0 D10.0 D11.0 D12.0 D13.0 D14.0 IC1.8 IC1.9 IC1.14 IC1.23 IC1.27 IC1.28 IC1.29 IC1.47 IC1.48 IC1.49 IC1.65 IC1.66 IC1.67 IC1.68 IC1.69 IC1.79 IC2.5 IC2.6 IC2.7 IC2.12 IC2.13 IC2.18 IC2.19 IC2.20 IC2.21 IC2.22 IC2.23 IC2.25 IC2.26 J2.5 J2.MH1 J2.MH2 JTAG.8 sc1.0 sc2.0 sc3.0 sc4.0

## Polygon pours and split planes (outlines as drawn)
GND on Top Layer "Bottom Layer-No Net" (solid, remove dead copper, pour order 1017): -0.001,74.785 140,74.785 140,0 139.906,-0.094 -0.222,-0.094
GND on Top Layer "Bottom Layer-No Net" (solid, pour order 1015): 81.385,22.766 81.385,24.417 80.725,25.077 78.261,25.077 78.337,25.077 77.753,24.493 77.753,24.417 77.753,22.766
GND on Top Layer "Bottom Layer-No Net" (solid, pour order 1014): 72.775,22.766 72.775,24.417 72.114,25.077 69.651,25.077 69.727,25.077 69.143,24.493 69.143,24.417 69.143,22.766
GND on Top Layer "Bottom Layer-No Net" (solid, pour order 1013): 64.317,22.664 64.317,24.315 63.656,24.976 61.192,24.976 61.269,24.976 60.684,24.392 60.684,24.315 60.684,22.664
GND on Top Layer "Bottom Layer-No Net" (solid, pour order 1012): 56.138,22.69 56.138,24.341 55.477,25.001 53.014,25.001 53.09,25.001 52.506,24.417 52.506,24.341 52.506,22.69
GND on Top Layer "Bottom Layer-No Net" (solid, pour order 1011): 47.73,22.741 47.73,24.392 47.07,25.052 44.606,25.052 44.682,25.052 44.098,24.468 44.098,24.392 44.098,22.741
GND on Top Layer "Bottom Layer-No Net" (solid, pour order 1010): 135.386,31.935 135.386,33.586 134.725,34.247 132.262,34.247 132.338,34.247 131.754,33.663 131.754,33.586 131.754,31.935
NetD11_A on Top Layer "Bottom Layer-No Net" (solid, pour order 1009): 82.732,7.805 74.68,7.805 74.68,21.471 82.732,21.471
NetD10_A on Top Layer "Bottom Layer-No Net" (solid, pour order 1008): 74.578,7.805 66.272,7.805 66.272,21.471 74.578,21.471
NetD14_A on Top Layer "Bottom Layer-No Net" (solid, pour order 1007): 66.12,7.805 57.916,7.805 57.916,21.471 66.12,21.471
NetD9_A on Top Layer "Bottom Layer-No Net" (solid, pour order 1006): 57.789,7.805 49.559,7.805 49.559,21.471 57.789,21.471
NetD12_A on Top Layer "Bottom Layer-No Net" (solid, pour order 1005): 49.432,7.805 41.431,7.805 41.431,21.445 49.432,21.445
NetD13_A on Top Layer "Bottom Layer-No Net" (solid, remove dead copper, pour order 1001): 126.061,30.481 139.85,30.481 139.85,4.86 140.491,4.122 140.01,4.675 125.099,4.675 125.122,30.481 125.259,30.481 127.023,30.481
GND on Bottom Layer "Bottom Layer-No Net" (solid, remove dead copper, pour order 1016): 0,75 140,75 140,0 0,0
NetD13_A on Bottom Layer "Bottom Layer-No Net" (solid, remove dead copper, pour order 1000): 126.061,30.481 139.85,30.481 139.85,4.86 140.491,4.122 140.01,4.675 125.099,4.675 125.099,30.665 125.259,30.481 127.023,30.481
NetD12_A on Bottom Layer "Bottom Layer-No Net" (solid, pour order 1004): 49.331,7.805 41.431,7.805 41.431,21.445 49.331,21.445
NetD9_A on Bottom Layer "Bottom Layer-No Net" (solid, pour order 1003): 57.763,7.805 49.534,7.805 49.534,21.471 57.763,21.471
NetD14_A on Bottom Layer "Bottom Layer-No Net" (solid, remove dead copper, pour order 1002): 66.171,7.805 58.017,7.805 58.017,21.471 66.171,21.471

## Keep-outs
Keep-Out Layer:
  circle w0.254: c8.619,3.868 r3.552
  circle w0.254: c136.275,3.614 r3.552
  circle w0.254: c8.773,71.325 r3.552
  circle w0.254: c136.021,39.225 r3.552
  lines w0.254: 0,0 0,75 140,75 140,0 0,0

## Other copper
Top Layer:
  rectangle net GND: 85.78,0.338 99.038,12.301
  rectangle net GND: 131.652,32.062 136.605,34.704
Bottom Layer:
  rectangle net GND: 131.093,32.52 136.021,35.161
  rectangle net GND: 43.235,23.246 82.325,25.56

## Silkscreen, mask and mechanical layers (free items; w line width, h text height)
Top Overlay:
  drawing of 154 lines, arcs and shapes, not listed
  text "v" at 47.273,73.134 h1.52 r270
  text "v" at 28.934,72.982 h1.52 r270
  text "S" at 6.205,67.114 h1
  text "+" at 1.125,67.089 h1
  text "-" at 3.691,67.089 h1
  text "1B" at 81.919,63.228 h1
  text "1A" at 84.484,63.228 h1
  text "2A" at 86.948,63.228 h1
  text "2B" at 89.615,63.228 h1
  text "1B" at 97.006,63.228 h1
  text "1A" at 99.572,63.228 h1
  text "2A" at 102.036,63.228 h1
  text "2B" at 104.703,63.228 h1
  text "1B" at 112.246,63.228 h1
  text "1A" at 114.812,63.228 h1
  text "2A" at 117.276,63.228 h1
  text "2B" at 119.943,63.228 h1
  text "1B" at 66.653,63.203 h1
  text "1A" at 69.219,63.203 h1
  text "2A" at 71.683,63.203 h1
  text "2B" at 74.35,63.203 h1
  text "1B" at 127.461,63.203 h1
  text "1A" at 130.026,63.203 h1
  text "2A" at 132.49,63.203 h1
  text "2B" at 135.157,63.203 h1
  text "1B" at 51.388,63.177 h1
  text "1A" at 53.953,63.177 h1
  text "2A" at 56.417,63.177 h1
  text "2B" at 59.084,63.177 h1
  text "Endstops" at 11.51,62.898 h1 r270
  text "v" at 37.342,54.389 h1.52 r90
  text "alone" at 46.765,54.262 h1 r90
  text "Stand" at 45.283,54.186 h1 r90
  text "I2C Encoders" at 11.891,49.69 h1 r270
  text "D" at 6.206,49.461 h1
  text "C" at 8.746,49.461 h1
  text "+" at 1.126,49.436 h1
  text "-" at 3.691,49.436 h1
  text "USB" at 45.292,42.019 h1 r90
  text "Power" at 46.587,41.206 h1 r90
  text "HB" at 129.722,38.641 h1
  text "1B Black" at 73.156,37.727 h1
  text "1A Green" at 73.156,36.169 h1
  text "2A Red" at 73.156,34.611 h1
  text "Thermistors" at 13.106,34.323 h1 r270
  text "T0" at 9.796,33.688 h1
  text "2B Blue" at 73.156,33.053 h1
  text "T1" at 9.796,31.148 h1
  text "v" at 31.754,30.919 h1.52
  text "HE0" at 45.775,29.954 h1
  text "HE1" at 54.03,29.954 h1
  text "HE2" at 61.98,29.954 h1
  text "FAN1" at 78.363,29.954 h1
  text "FAN0" at 69.803,29.929 h1
  text "_" at 37.277,29.047 h1
  text "T2" at 9.796,28.608 h1
  text "T3" at 9.796,26.068 h1
  text "+" at 37.277,25.796 h1
  text "TB" at 9.796,23.528 h1
  text "_" at 38.739,23.172 h1
  text "12V-Select" at 83.849,22.156 h1 r90
  text "12V-Select" at 66.704,22.131 h1 r90
  text "12V-Select" at 75.137,22.131 h1 r90
  text "+" at 38.739,19.921 h1
  text "USB" at 7.446,19.845 h1
  text "PWR" at 83.849,10.701 h1 r90
  text "PWR" at 66.704,10.65 h1 r90
  text "PWR" at 75.137,10.65 h1 r90
  text "v" at 14.583,8.009 h1.52 r180
  text "_" at 37.012,4.808 h1
  text "12V..35V" at 101.401,2.598 h1 r90
  text "+" at 37.012,1.557 h1
  text "-" at 42.796,0.541 h2
  text "-" at 76.4,0.541 h2
  text "-" at 59.56,0.49 h2
  text "-" at 67.891,0.49 h2
  text "-" at 51.178,0.465 h2
  text "+" at 46.428,0.414 h2
  text "+" at 80.033,0.414 h2
  text "+" at 63.192,0.363 h2
  text "+" at 71.524,0.363 h2
  text "+" at 54.81,0.338 h2
  text "-" at 103.839,0.287 h2
  text "+" at 108.919,0.287 h2
  text "-" at 113.836,0.287 h2
  text "+" at 118.916,0.287 h2
  text "-" at 123.869,0.287 h2
  text "+" at 128.949,0.287 h2
Bottom Overlay:
  lines w0.203: 61.396,26.373 85.602,26.373 ; 61.624,41.486 85.602,41.486
  text "BOARD MODEL" at 85.576,39.759 h1.02
  text "RUMBA+" at 85.449,37.803 h1.4
  text "V1.0A" at 65.104,37.498 h1.02
  text "....................................................." at 85.449,36.99 h0.55 r180
  text "OPEN SOURCE" at 85.5,34.933 h1.07
  text "3D PRINTER ELECTRONICS" at 85.5,33.307 h1.02
  text "....................................................." at 85.449,32.494 h0.55 r180
  text "WWW.AUS3D.COM.AU" at 85.5,30.513 h1.02
  text "....................................................." at 85.449,29.649 h0.55 r180
  text "MADE IN CHINA" at 85.5,27.465 h1.02
Top Solder:
  text "A" at 58.246,39.149 h1.5
  text "RUMBA+" at 58.246,35.339 h3.7

## Dimensions
0,75 to 0,0 on Mechanical 1
0,75 to 140,75 on Mechanical 1

## Text inside footprints (layer, text, board x,y; h text height)
E0: Mechanical 15 "Vmot" at 104.516,61.956 h0.61; Mechanical 15 "GND" at 104.516,59.388 h0.61; Mechanical 15 "2B" at 104.516,56.82 h0.61; Mechanical 15 "2A" at 104.516,54.253 h0.61; Mechanical 15 "1A" at 104.516,51.685 h0.61; Mechanical 15 "1B" at 104.516,49.117 h0.61; Mechanical 15 "VDD" at 104.516,46.549 h0.61; Mechanical 15 "GND" at 104.516,43.981 h0.61; Mechanical 15 "EN" at 96.481,61.866 h0.61; Mechanical 15 "MS1" at 96.481,59.326 h0.61; Mechanical 15 "MS2" at 96.481,56.786 h0.61; Mechanical 15 "MS3" at 96.481,54.246 h0.61; Mechanical 15 "RST" at 96.481,51.706 h0.61; Mechanical 15 "SLP" at 96.481,49.166 h0.61; Mechanical 15 "STEP" at 96.481,46.626 h0.61; Mechanical 15 "DIR" at 96.481,44.086 h0.61
E1: Mechanical 15 "DIR" at 111.721,44.086 h0.61; Mechanical 15 "STEP" at 111.721,46.626 h0.61; Mechanical 15 "SLP" at 111.721,49.166 h0.61; Mechanical 15 "RST" at 111.721,51.706 h0.61; Mechanical 15 "MS3" at 111.721,54.246 h0.61; Mechanical 15 "MS2" at 111.721,56.786 h0.61; Mechanical 15 "MS1" at 111.721,59.326 h0.61; Mechanical 15 "EN" at 111.721,61.866 h0.61; Mechanical 15 "GND" at 119.756,43.981 h0.61; Mechanical 15 "VDD" at 119.756,46.549 h0.61; Mechanical 15 "1B" at 119.756,49.117 h0.61; Mechanical 15 "1A" at 119.756,51.685 h0.61; Mechanical 15 "2A" at 119.756,54.253 h0.61; Mechanical 15 "2B" at 119.756,56.82 h0.61; Mechanical 15 "GND" at 119.756,59.388 h0.61; Mechanical 15 "Vmot" at 119.756,61.956 h0.61
E2: Mechanical 15 "Vmot" at 134.996,61.956 h0.61; Mechanical 15 "GND" at 134.996,59.388 h0.61; Mechanical 15 "2B" at 134.996,56.82 h0.61; Mechanical 15 "2A" at 134.996,54.253 h0.61; Mechanical 15 "1A" at 134.996,51.685 h0.61; Mechanical 15 "1B" at 134.996,49.117 h0.61; Mechanical 15 "VDD" at 134.996,46.549 h0.61; Mechanical 15 "GND" at 134.996,43.981 h0.61; Mechanical 15 "EN" at 126.961,61.866 h0.61; Mechanical 15 "MS1" at 126.961,59.326 h0.61; Mechanical 15 "MS2" at 126.961,56.786 h0.61; Mechanical 15 "MS3" at 126.961,54.246 h0.61; Mechanical 15 "RST" at 126.961,51.706 h0.61; Mechanical 15 "SLP" at 126.961,49.166 h0.61; Mechanical 15 "STEP" at 126.961,46.626 h0.61; Mechanical 15 "DIR" at 126.961,44.086 h0.61
J2: Mechanical 1 "PCB Edge" at -0.38,17.608 h0.25 r270
X: Mechanical 15 "Vmot" at 58.804,61.956 h0.61; Mechanical 15 "GND" at 58.804,59.388 h0.61; Mechanical 15 "2B" at 58.804,56.821 h0.61; Mechanical 15 "2A" at 58.804,54.253 h0.61; Mechanical 15 "1A" at 58.804,51.685 h0.61; Mechanical 15 "1B" at 58.804,49.117 h0.61; Mechanical 15 "VDD" at 58.804,46.549 h0.61; Mechanical 15 "GND" at 58.804,43.981 h0.61; Mechanical 15 "EN" at 50.769,61.866 h0.61; Mechanical 15 "MS1" at 50.769,59.326 h0.61; Mechanical 15 "MS2" at 50.769,56.786 h0.61; Mechanical 15 "MS3" at 50.769,54.246 h0.61; Mechanical 15 "RST" at 50.769,51.706 h0.61; Mechanical 15 "SLP" at 50.769,49.166 h0.61; Mechanical 15 "STEP" at 50.769,46.626 h0.61; Mechanical 15 "DIR" at 50.769,44.086 h0.61
Y: Mechanical 15 "DIR" at 66.009,44.086 h0.61; Mechanical 15 "STEP" at 66.009,46.626 h0.61; Mechanical 15 "SLP" at 66.009,49.166 h0.61; Mechanical 15 "RST" at 66.009,51.706 h0.61; Mechanical 15 "MS3" at 66.009,54.246 h0.61; Mechanical 15 "MS2" at 66.009,56.786 h0.61; Mechanical 15 "MS1" at 66.009,59.326 h0.61; Mechanical 15 "EN" at 66.009,61.866 h0.61; Mechanical 15 "GND" at 74.044,43.981 h0.61; Mechanical 15 "VDD" at 74.044,46.549 h0.61; Mechanical 15 "1B" at 74.044,49.117 h0.61; Mechanical 15 "1A" at 74.044,51.685 h0.61; Mechanical 15 "2A" at 74.044,54.253 h0.61; Mechanical 15 "2B" at 74.044,56.821 h0.61; Mechanical 15 "GND" at 74.044,59.388 h0.61; Mechanical 15 "Vmot" at 74.044,61.956 h0.61